# KiCad board MozzaCircuit.kicad_pcb (continued)
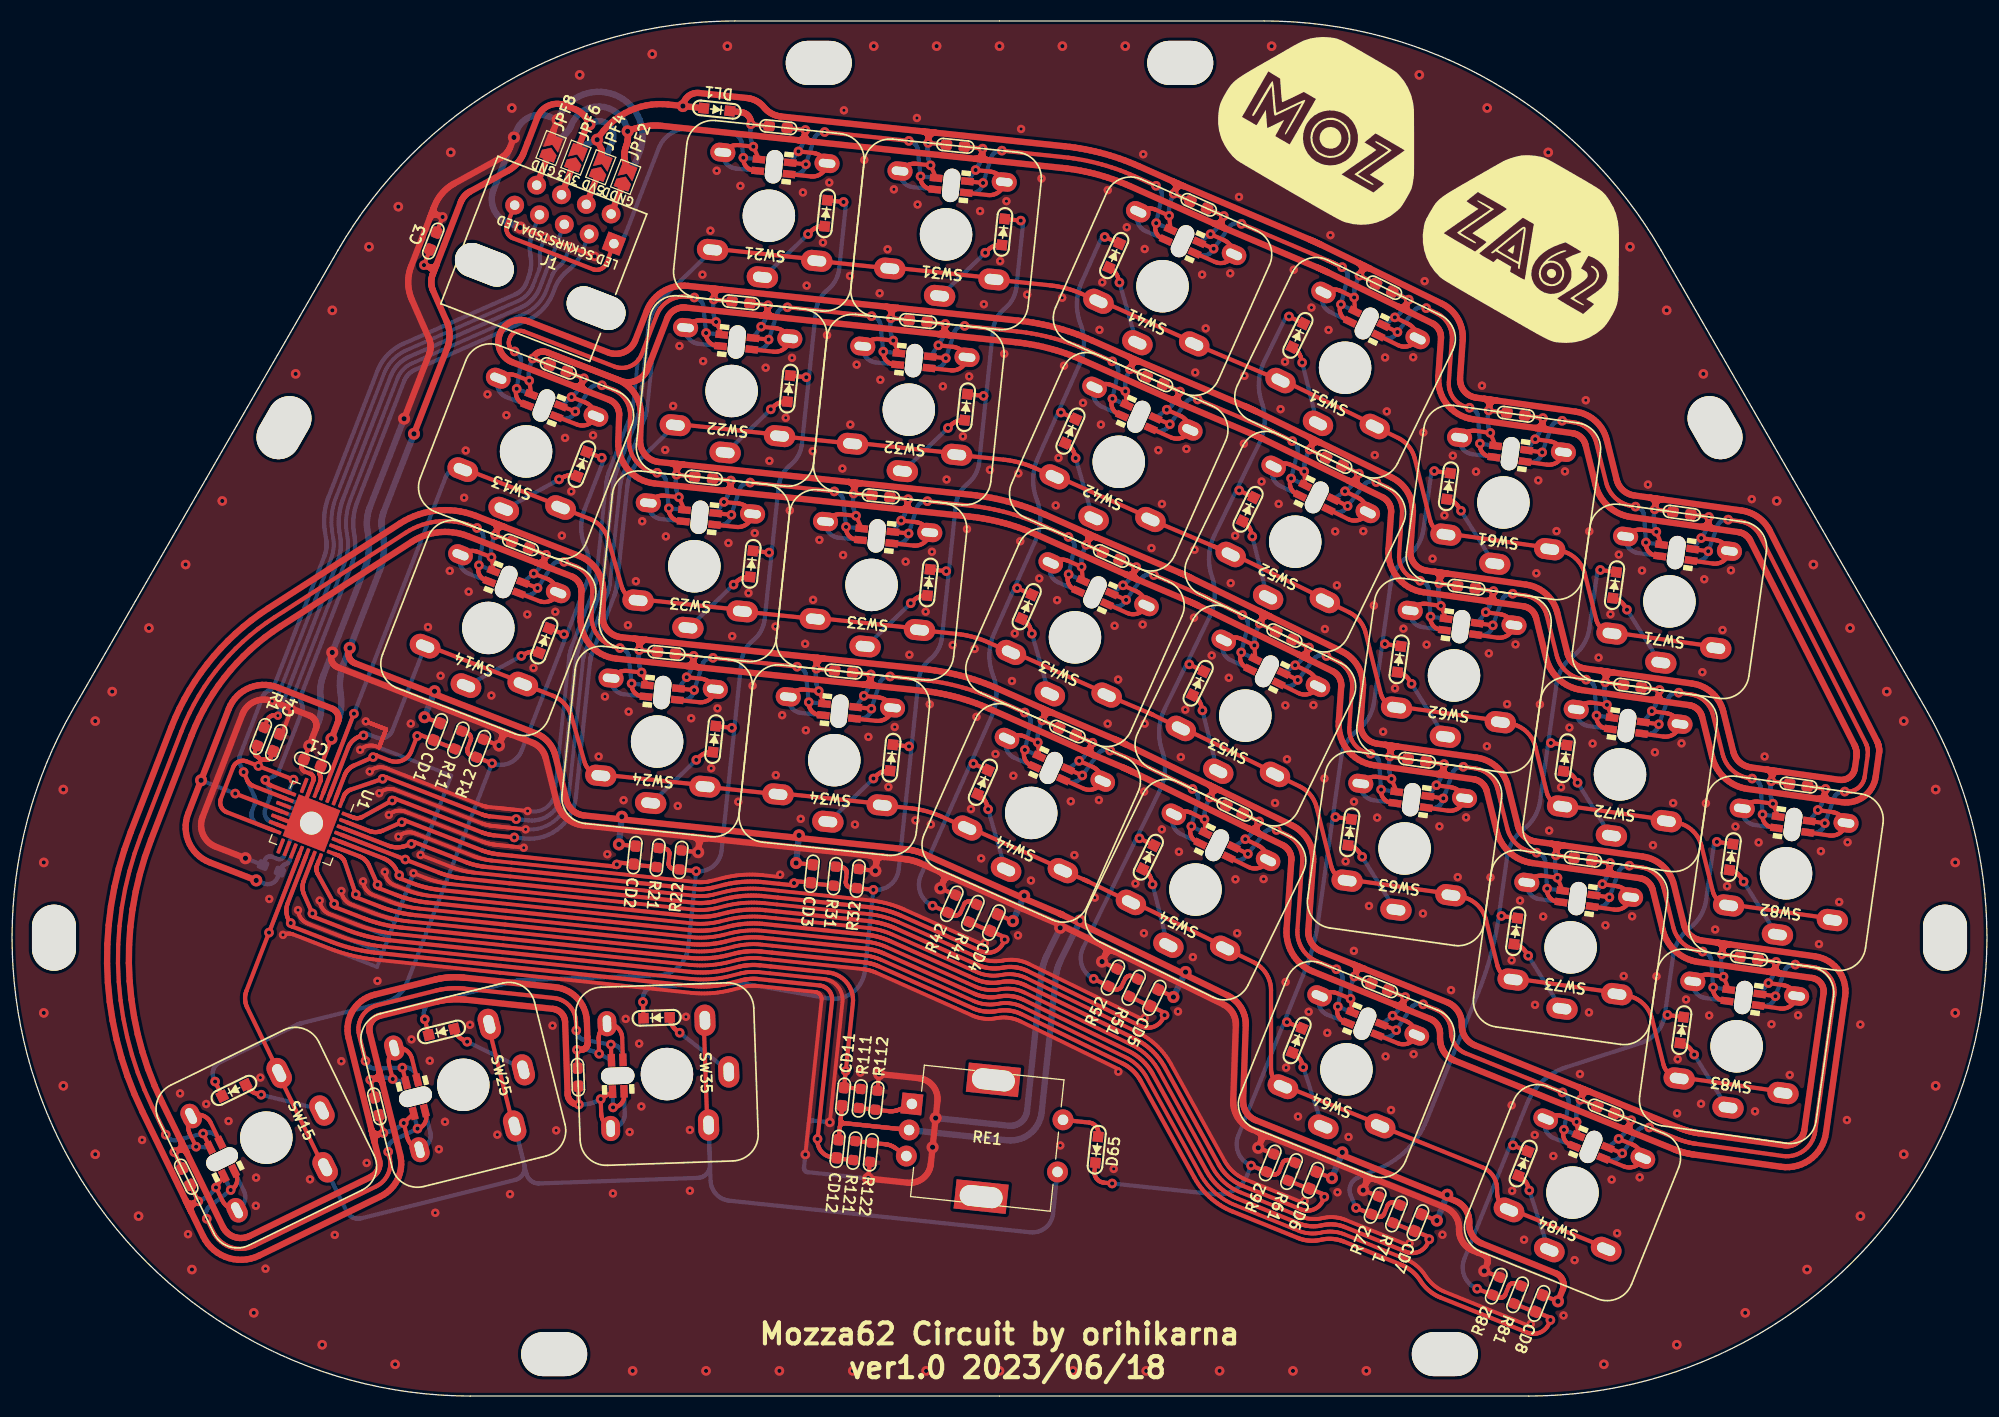
[diagram p0: board, top side]
## Routing (per net, layer and track width the routed paths; a pad name or vN(x,y) marks a point on that pad's centre or on a via; arc(x,y) is an arc through that point) (continued)
  Bottom w0.4: v1(22.27,51.3) 23.95,50.65 24.15,51.17 24.17,51.21 24.19,51.26 24.22,51.3 24.26,51.34 24.3,51.37 24.34,51.41 24.39,51.43 24.43,51.45 24.48,51.47 24.54,51.48 24.59,51.48 24.64,51.48 24.69,51.48 24.74,51.47 24.79,51.45 25.32,51.25 25.37,51.23 25.42,51.22 25.47,51.21 25.52,51.21 25.58,51.22 25.63,51.23 25.68,51.25 25.72,51.27 25.77,51.29 25.81,51.32 25.85,51.36 25.89,51.4 25.92,51.44 25.94,51.49 25.97,51.53 U2.6 27.36,55.12 U1.29 ; R82.2 v1(140.47,11.93) ; 120.39,23.08 v1(118.9,23.68) ; R72.2 v1(128.92,19.63) ; R32.2 v1(82.37,50.1) ; R52.2 v1(104,41.44) ; U2.12 28.8,55.26 U1.29 ; 25.53,63.14 25.72,63.07 v3(26.69,65.57) ; 26.15,56.99 29.04,55.86 U1.29 ; v2(78.03,26.11) 76.44,26.28 76.39,26.28 76.35,26.28 76.31,26.27 76.27,26.26 76.23,26.25 76.19,26.23 76.16,26.21 76.13,26.18 76.1,26.15 76.07,26.12 76.05,26.08 76.03,26.04 76.01,26.01 76,25.97 76,25.92 v2(75.69,23.04) 75.56,21.8 75.56,21.75 75.56,21.71 75.57,21.67 75.58,21.63 75.59,21.59 75.61,21.55 75.64,21.52 75.66,21.49 75.69,21.46 75.72,21.43 75.76,21.41 75.8,21.39 75.84,21.37 75.88,21.36 75.92,21.36 v1(81.69,20.75) R122.2 ; U1.29 25.68,55.77 ; R112.2 v1(82.73,30.72) ; C3.2 v2(41.08,112.48) ; 90.03,47.79 v1(88.57,48.44) ; R12.2 v1(46.46,62.06) ; R22.2 v1(65.47,51.88)
  Bottom w0.6: v1(37.41,93.23) 34.15,84.84 34.1,84.7 34.05,84.55 34.01,84.4 33.97,84.25 33.94,84.1 33.91,83.95 33.89,83.8 33.87,83.65 33.86,83.5 33.86,83.34 33.85,83.19 33.86,83.04 33.87,82.88 33.89,82.73 33.91,82.58 33.98,82.09 34.01,81.87 34.03,81.66 34.05,81.44 34.05,81.22 34.05,81 34.05,80.79 34.03,80.57 34.01,80.35 33.97,80.14 33.94,79.92 33.89,79.71 33.84,79.5 33.78,79.29 33.71,79.08 33.63,78.88 v1(30.55,70.94) 29.7,68.74 29.65,68.6 29.6,68.45 29.56,68.31 29.52,68.16 29.49,68.01 29.46,67.86 29.44,67.71 29.42,67.55 29.41,67.4 29.41,67.25 29.4,67.09 29.41,66.94 29.42,66.79 29.44,66.63 29.46,66.48 29.48,66.33 29.49,66.18 29.5,66.02 29.51,65.87 29.51,65.72 29.5,65.56 29.49,65.41 29.47,65.26 29.45,65.11 29.42,64.96 29.39,64.81 29.35,64.66 29.31,64.51 29.26,64.37 29.21,64.22 v1(28.36,62.03) ; v1(48.49,111.47) 47.3,111.93 47.08,112.03 46.86,112.16 46.66,112.31 46.47,112.48 46.3,112.66 46.16,112.87 46.03,113.09 45.93,113.32 45.85,113.55 45.8,113.8 45.78,114.05 45.78,114.3 45.8,114.55 45.86,114.8 45.93,115.04 v1(47.89,120.07) 48.13,120.69 48.23,120.92 48.36,121.14 48.51,121.34 48.67,121.53 48.86,121.69 49.07,121.84 49.28,121.96 49.51,122.07 49.75,122.14 50,122.19 50.25,122.22 50.5,122.22 50.75,122.19 51,122.14 51.23,122.06 v1(52.05,121.74) 52.23,122.14 52.46,122.52 52.72,122.88 53.01,123.2 53.34,123.5 53.7,123.75 54.08,123.97 54.48,124.15 54.9,124.28 55.33,124.37 55.76,124.42 56.2,124.42 56.64,124.37 57.07,124.28 57.49,124.14 57.89,123.96 58.27,123.74 58.62,123.48 58.95,123.18 59.24,122.85 59.5,122.5 59.72,122.12 59.9,121.71 60.03,121.3 60.12,120.87 60.16,120.43 60.16,119.99 60.12,119.55 60.02,119.12 59.89,118.7 59.5,117.72 59.48,117.65 59.45,117.59 59.41,117.53 59.38,117.47 59.34,117.41 59.29,117.36 59.25,117.3 59.2,117.25 59.15,117.2 59.1,117.16 59.04,117.12 58.98,117.08 58.92,117.04 58.86,117.01 58.8,116.98 ; v1(88.12,26.52) 95.09,25.79 95.25,25.78 95.42,25.79 95.59,25.81 95.75,25.86 95.9,25.92 96.05,25.99 96.19,26.09 96.32,26.19 96.44,26.31 96.55,26.44 96.64,26.58 96.72,26.73 96.78,26.89 96.82,27.05 96.85,27.21 98.21,40.23 98.23,40.35 98.25,40.48 98.27,40.61 98.29,40.73 98.32,40.86 98.35,40.98 98.38,41.1 98.41,41.23 98.45,41.35 98.49,41.47 98.54,41.59 98.58,41.71 98.63,41.83 98.68,41.95 98.74,42.06 v1(100.01,44.67)
  vias: v1(87.83,23.74) v2(3.03,50.9) v2(3.03,36.55) v2(4.89,57.86) v2(4.89,29.59) v2(7.94,64.39) v2(7.94,23.06) v2(9.56,67.2) v2(12.07,17.16) v2(13.06,73.26) v2(16.56,79.32) v2(17.16,12.07) v2(20.06,85.39) v2(23.06,7.94) v2(27.06,97.51) v2(29.59,4.89) v2(30.56,103.57) v2(34.06,109.63) v2(36.55,3.03) v2(36.86,113.46) v2(41.86,118.64) v2(47.69,122.88) v2(54.16,126.03) v2(59.22,2.4) v2(61.09,128.02) v2(66.22,2.4) v2(68.25,128.77) v2(73.22,2.4) v2(80.22,2.4) v2(82.22,128.78) v2(87.22,2.4) v2(88.22,128.78) v2(94.22,128.78) v2(94.22,2.4) v2(100.22,128.78) v2(101.22,2.4) v2(106.22,128.78) v2(108.22,2.4) v2(115.22,2.4) v2(120.18,128.77) v2(122.22,2.4) v2(127.35,128.02) v2(129.22,2.4) v2(134.27,126.03) v2(140.75,122.88) v2(146.57,118.64) v2(151.58,113.46) v2(151.88,3.03) v2(154.37,109.63) v2(157.87,103.57) v2(158.84,4.89) v2(161.37,97.51) v2(165.37,7.94) v2(168.37,85.39) v2(171.27,12.07) v2(171.87,79.32) v2(175.37,73.26) v2(176.36,17.16) v2(178.87,67.2) v2(180.5,64.39) v2(180.5,23.06) v2(183.54,57.86) v2(183.54,29.59) v2(185.4,50.9) v2(185.4,36.55) v3(12.41,24.43) v3(16.03,28.87) v3(16.79,15.44) v3(18.53,27.86) v3(20.66,26.23) v3(23.26,18.15) v3(23.29,20.84) v3(23.69,30.38) v3(24.18,12.15) v3(24.54,47.42) v3(28.43,20.67) v3(30.79,15.37) v3(31.42,31.94) v3(33.84,22.24) v3(34.87,39.6) v3(38.04,64.14) v3(38.11,34.02) v3(39.69,73.36) v3(39.86,31.98) v3(40.38,17.48) v3(40.72,23.54) v3(40.89,68.71) v3(41.31,26.16) v3(41.77,78.72) v3(43.14,85.7) v3(43.29,90.2) v3(43.57,76.73) v3(43.69,35.41) v3(45.37,95.56) v3(45.73,66.83) v3(46.3,24.93) v3(47.17,93.57) v3(47.51,19.26) v3(49.16,74.57) v3(49.76,69.46) v3(51.57,35.34) v3(51.84,74.82) v3(51.92,25.34) v3(52.46,82.08) v3(52.76,91.4) v3(53.36,86.29) v3(55.44,91.65) v3(55.97,61.01) v3(56.57,66.73) v3(56.8,51.69) v3(57.33,19.33) v3(58.35,56.84) v3(58.55,35.98) v3(58.77,73.54) v3(58.83,65.29) v3(58.93,25.19) v3(59.52,77.73) v3(59.83,33.62) v3(60.04,27.63) v3(60.12,83.45) v3(62.32,90.26) v3(62.39,82.01) v3(63.08,94.45) v3(63.52,56.3) v3(63.68,100.17) v3(64.3,36.18) v3(64.67,25.39) v3(64.68,19.58) v3(64.8,64.66) v3(65.87,106.98) v3(65.94,98.73) v3(66.63,111.17) v3(66.71,59.88) v3(67.23,116.89) v3(67.31,65.6) v3(68.35,81.38) v3(68.71,72.49) v3(69.29,56.7) v3(69.49,115.45) v3(70.26,76.6) v3(70.66,67.76) v3(70.86,82.32) v3(71.91,98.1) v3(72.26,89.21) v3(72.84,73.42) v3(72.88,59.23) v3(73.29,49.74) v3(73.48,64.95) v3(73.82,93.32) v3(74.21,84.48) v3(74.42,99.04) v3(75.25,55.06) v3(75.46,114.82) v3(75.67,71.76) v3(75.74,63.51) v3(75.82,105.93) v3(76.4,90.14) v3(76.43,75.95) v3(77.03,81.67) v3(77.37,110.04) v3(77.76,101.2) v3(77.97,115.76) v3(79.23,88.48) v3(79.29,80.23) v3(79.37,122.65) v3(79.95,106.86) v3(79.98,92.67) v3(80.42,54.52) v3(80.59,98.39) v3(80.94,30.86) v3(81.32,117.92) v3(81.71,62.88) v3(82.78,105.2) v3(82.85,96.95) v3(83.54,109.39) v3(83.62,58.11) v3(84.14,115.11) v3(84.22,63.82) v3(85.26,79.6) v3(85.62,70.72) v3(86.2,54.92) v3(86.33,121.92) v3(86.4,113.67) v3(87.17,74.83) v3(87.56,65.99) v3(87.67,54.53) v3(87.77,80.54) v3(88.81,96.32) v3(89.17,87.44) v3(89.75,71.64) v3(90.72,91.55) v3(91.12,82.71) v3(91.32,97.26) v3(91.5,55.99) v3(91.84,71.27) v3(92.02,64.79) v3(92.37,113.04) v3(92.47,51.29) v3(92.73,104.16) v3(92.82,43.23) v3(93.31,88.36) v3(93.83,61.25) v3(94.28,108.27) v3(94.67,99.43) v3(94.88,113.98) v3(95.4,68.21) v3(95.54,59.18) v3(95.67,72.74) v3(96.02,88.02) v3(95.98,43.94) v3(96.2,81.54) v3(96.28,120.88) v3(96.86,105.08) v3(97.22,49.18) v3(98.01,78) v3(98.22,116.15) v3(99.58,84.96) v3(99.72,75.92) v3(99.85,89.49) v3(100.02,23.9) v3(100.2,104.77) v3(100.37,98.29) v3(101.02,56.73) v3(101.36,51.6) v3(102.19,94.75) v3(103.31,47.55) v3(103.76,101.71) v3(103.7,56.85) v3(103.89,92.67) v3(104.02,106.24) v3(104.55,115.04) v3(104.54,64.14) v3(105.11,21.67) v3(105.2,73.48) v3(105.54,68.35) v3(105.56,30.94) v3(106.36,111.5) v3(107.19,48.89) v3(107.93,118.46) v3(107.88,73.6) v3(108.02,57.66) v3(107.99,44.15) v3(108.06,36.08) v3(108.07,109.42) v3(108.07,64.14) v3(108.72,80.89) v3(109.37,90.23) v3(109.71,85.1) v3(109.71,54.05) v3(111.25,36.68) v3(111.34,51.92) v3(111.52,60.96) v3(111.94,65.48) v3(112.05,90.35) v3(112.67,41.87) v3(112.82,80.74) v3(112.77,74.25) v3(112.89,97.64) v3(113.55,106.98) v3(113.89,101.85) v3(114.46,70.65) v3(116.1,68.52) v3(116.23,107.1) v3(116.28,77.55) v3(116.7,82.07) v3(116.73,49.29) v3(116.89,44.15) v3(117.07,114.39) v3(117.53,90.85) v3(117.58,97.33) v3(119.22,87.24) v3(119.41,49.32) v3(120.51,56.58) v3(120.85,85.11) v3(121.03,94.15) v3(121.46,98.67) v3(121.49,65.89) v3(121.52,39.49) v3(121.56,31.33) v3(121.65,60.75) v3(122.29,107.44) v3(122.7,26.66) v3(123.33,18.62) v3(123.72,36.66) v3(123.98,103.84) v3(124.17,65.91) v3(125.26,73.17) v3(125.22,58.91) v3(125.49,34.65) v3(125.61,101.7) v3(125.79,110.74) v3(126.25,82.48) v3(126.41,77.34) v3(126.47,19.44) v3(127.24,51.01) v3(127.52,24.72) v3(128.04,56.7) v3(128.03,42.47) v3(128.93,82.51) v3(129.47,46.75) v3(129.94,75.42) v3(130.02,89.76) v3(130.25,55.18) v3(130.82,63.38) v3(131,99.07) v3(131.06,32.4) v3(131.17,93.93) v3(131.58,27.28) v3(131.96,67.51) v3(132.76,73.21) v3(133.34,14.57) v3(133.69,99.1) v3(133.73,32.61) v3(134.65,91.92) v3(134.62,46.03) v3(134.78,106.36) v3(134.97,71.68) v3(135.54,79.88) v3(136.19,54.34) v3(136.48,15.39) v3(136.67,84.02) v3(137.3,38.72) v3(137.47,89.71) v3(137.94,49.5) v3(138.74,55.2) v3(139.68,88.19) v3(140.25,96.39) v3(140.72,61.99) v3(140.91,70.85) v3(141.06,49.48) v3(142.65,66.01) v3(143.08,41.57) v3(143.09,27.74) v3(143.13,19.58) v3(143.45,71.7) v3(143.88,47.26) v3(144.27,14.91) v3(144.9,6.87) v3(145.31,37.32) v3(145.29,24.91) v3(145.44,78.49) v3(145.62,87.35) v3(145.78,65.98) v3(146.09,45.74) v3(146.66,53.94) v3(147.06,22.9) v3(147.37,82.51) v3(147.8,58.07) v3(148.03,7.69) v3(148.17,88.21) v3(148.6,63.77) v3(149.09,12.97) v3(149.6,30.72) v3(150.15,95) v3(150.46,36.6) v3(150.49,82.49) v3(150.81,62.25) v3(151.38,70.45) v3(152.03,44.91) v3(152.51,74.58) v3(152.62,20.65) v3(153.15,15.53) v3(153.31,80.27) v3(153.78,40.07) v3(154.58,45.76) v3(155.3,20.86) v3(155.52,78.75) v3(156.09,86.95) v3(156.56,52.55) v3(156.75,61.41) v3(156.9,40.04) v3(158.49,56.57) v3(158.92,32.13) v3(158.87,26.97) v3(159.29,62.27) v3(159.72,37.83) v3(161.15,27.88) v3(161.28,69.05) v3(161.46,77.92) v3(161.62,56.55) v3(161.93,36.31) v3(162.5,44.51) v3(163.21,73.08) v3(163.64,48.64) v3(164.01,78.77) v3(164.44,54.33) v3(165.99,85.56) v3(166.3,27.16) v3(166.65,52.81) v3(167.22,61.01) v3(167.87,35.47) v3(169.62,30.63) v3(170.42,36.32) v3(172.41,43.11) v3(172.59,51.98) v3(174.33,47.14) v3(175.13,52.83) v3(175.07,26.33) v3(176.35,35.44)
GNDD: length 1359.3
  Top w0.4: 144.33,93.54 v2(146.07,93.3) ; 83.76,85.74 v2(85.5,85.56) ; L35.2 v2(56.17,28.33) 56.21,26.97 56.22,26.85 56.24,26.73 56.26,26.61 56.3,26.5 56.34,26.39 56.39,26.28 56.44,26.18 56.5,26.07 56.57,25.98 56.65,25.89 56.73,25.8 56.82,25.72 56.91,25.65 57.01,25.58 57.12,25.52 ; SW44.5 95.03,62.8 95.13,62.85 95.24,62.91 95.35,62.95 95.46,62.99 95.58,63.02 95.69,63.04 95.81,63.05 95.93,63.05 96.05,63.05 96.17,63.04 96.28,63.02 96.4,62.99 96.51,62.95 96.62,62.91 v2(97.87,62.35) L44.2 ; C41.2 v2(115.62,112.58) ; 78.49,69.2 v2(76.75,69.39) ; 160.17,84.11 v2(161.91,83.86) ; v2(53.38,95.3) 54.65,94.8 54.76,94.76 54.86,94.7 54.96,94.64 55.06,94.57 55.15,94.5 55.24,94.42 55.32,94.33 55.4,94.24 55.46,94.14 55.52,94.04 55.58,93.93 55.62,93.82 55.66,93.71 55.69,93.59 55.71,93.48 55.65,93.34 55.58,93.22 55.49,93.1 55.4,92.99 55.29,92.89 55.17,92.81 55.04,92.73 54.91,92.68 54.77,92.63 54.62,92.6 54.48,92.59 54.33,92.59 54.19,92.6 54.04,92.63 53.9,92.68 L13.2 ; C82.2 v2(167.86,58.65) ; 81.17,100.14 81.24,100.24 81.32,100.32 81.41,100.41 81.5,100.48 81.6,100.55 81.7,100.61 81.8,100.67 81.91,100.72 82.02,100.76 82.14,100.79 82.25,100.82 82.37,100.83 82.49,100.84 82.61,100.84 82.72,100.83 v2(84.08,100.69) L32.2 ; SW42.5 103.38,96.29 103.49,96.35 103.59,96.41 103.7,96.45 103.81,96.49 103.93,96.52 104.05,96.54 104.16,96.55 104.28,96.55 104.4,96.55 104.52,96.54 104.64,96.52 104.75,96.49 104.86,96.45 104.97,96.41 v2(106.22,95.85) 106.36,94.53 ; 165.08,56.06 165.16,56.15 165.24,56.24 165.33,56.31 165.42,56.39 165.52,56.45 165.63,56.51 165.73,56.57 165.84,56.61 165.95,56.65 166.07,56.68 166.19,56.7 166.3,56.71 166.42,56.71 166.54,56.71 166.66,56.7 v2(168.01,56.51) L82.2 ; 123.39,86.88 v2(123.29,88.2) 122.07,88.8 121.96,88.85 121.85,88.89 121.73,88.92 121.62,88.95 121.5,88.97 121.38,88.97 121.26,88.97 121.15,88.97 121.03,88.95 120.91,88.92 120.8,88.89 120.69,88.85 120.58,88.8 120.47,88.75 120.37,88.68 ; 149.46,24.84 v2(149.28,26.15) 148.01,26.66 147.9,26.71 147.79,26.74 147.67,26.76 147.55,26.78 147.44,26.79 147.32,26.79 147.2,26.78 147.08,26.76 146.97,26.74 146.85,26.71 146.74,26.66 146.63,26.62 146.53,26.56 146.43,26.5 SW84.5 ; 73.96,120.96 v2(75.7,120.78) ; 45.94,78.71 v2(45.74,80.02) 44.47,80.52 44.36,80.55 44.24,80.59 44.13,80.61 44.01,80.62 43.89,80.63 43.77,80.63 43.65,80.62 43.54,80.6 43.42,80.57 43.31,80.54 43.2,80.5 43.09,80.45 42.98,80.39 42.88,80.33 42.79,80.26 ; 74.06,66.7 74.14,66.8 74.22,66.88 74.3,66.97 74.39,67.04 74.49,67.11 74.59,67.17 74.69,67.23 74.8,67.28 74.91,67.32 75.03,67.35 75.14,67.38 75.26,67.39 75.38,67.4 75.5,67.4 75.62,67.39 v2(76.97,67.25) L34.2 ; L43.2 106.4,74.7 106.53,74.65 106.67,74.61 106.82,74.59 106.97,74.58 107.11,74.59 107.26,74.61 107.4,74.65 107.53,74.7 107.66,74.77 107.79,74.85 107.9,74.94 108.01,75.04 108.1,75.16 108.18,75.28 SW43.4 108.23,75.53 108.2,75.64 108.17,75.76 108.13,75.87 108.08,75.98 108.03,76.08 107.96,76.18 107.89,76.28 107.82,76.37 107.73,76.46 107.65,76.54 107.55,76.61 107.45,76.67 107.35,76.73 107.24,76.79 v2(106,77.34) ; C44.2 v2(98.31,64.45) ; L24.2 v2(60.07,69.03) 58.71,69.17 58.59,69.18 58.47,69.18 58.35,69.17 58.24,69.15 58.12,69.13 58.01,69.1 57.89,69.06 57.79,69.01 57.68,68.95 57.58,68.89 57.48,68.82 57.39,68.74 57.31,68.66 57.23,68.57 SW24.5 ; L64.2 v2(127.71,37.9) 126.44,38.42 126.33,38.46 126.22,38.49 126.1,38.51 125.99,38.53 125.87,38.54 125.75,38.54 125.63,38.53 125.51,38.51 125.4,38.49 125.28,38.46 125.17,38.42 125.06,38.37 124.96,38.31 124.86,38.25 124.76,38.18 ; C24.2 v2(59.84,71.16) ; L41.2 114.75,108.2 114.89,108.15 115.03,108.11 115.17,108.09 115.32,108.08 115.46,108.09 115.61,108.11 115.75,108.15 115.89,108.2 116.02,108.27 116.14,108.35 116.25,108.44 116.36,108.54 116.45,108.66 116.53,108.78 116.6,108.91 116.58,109.03 116.56,109.14 116.52,109.26 116.48,109.37 116.43,109.48 116.38,109.58 116.32,109.68 116.25,109.78 116.17,109.87 116.09,109.95 116,110.03 115.91,110.11 115.81,110.17 115.7,110.23 115.6,110.28 v2(114.35,110.84) ; L54.2 v2(113.78,55.02) 112.55,55.62 112.44,55.66 112.33,55.7 112.22,55.74 112.1,55.76 111.98,55.78 111.87,55.79 111.75,55.79 111.63,55.78 111.51,55.76 111.4,55.74 111.28,55.7 111.17,55.66 111.06,55.62 110.96,55.56 110.86,55.5 ; 21.47,17.72 21.35,17.73 21.23,17.76 21.12,17.78 21,17.82 20.89,17.87 20.79,17.92 20.68,17.98 20.59,18.04 20.49,18.12 20.4,18.2 20.32,18.28 20.25,18.37 20.18,18.47 20.11,18.57 20.06,18.67 v2(19.46,19.9) L15.2 ; 166.59,41.66 v2(168.32,41.42) ; L23.2 69.12,82.91 69.26,82.9 69.41,82.91 69.55,82.93 69.7,82.97 69.83,83.02 69.96,83.09 70.09,83.17 70.2,83.26 70.3,83.36 70.4,83.48 70.48,83.6 70.54,83.73 70.59,83.87 70.63,84.01 70.66,84.15 70.6,84.26 70.54,84.36 70.48,84.46 70.4,84.55 70.33,84.64 70.24,84.72 70.15,84.8 70.05,84.87 69.95,84.93 69.85,84.99 69.74,85.04 69.63,85.08 69.51,85.11 69.4,85.14 69.28,85.15 v2(67.92,85.29) ; 115.87,56.33 v2(114.29,57.1) ; C63.2 v2(136.64,60.29) ; 83.93,81.35 86.02,81.13 86.17,81.12 86.32,81.13 86.46,81.15 86.6,81.19 86.74,81.24 86.87,81.31 86.99,81.39 87.11,81.48 87.21,81.59 87.3,81.7 87.38,81.82 87.45,81.95 87.5,82.09 87.54,82.23 SW33.4 87.51,82.48 87.45,82.59 87.38,82.68 87.31,82.78 87.23,82.87 87.15,82.95 87.06,83.02 86.96,83.09 86.86,83.16 86.76,83.21 86.65,83.26 86.54,83.3 86.42,83.33 86.31,83.36 86.19,83.37 v2(84.83,83.52) ; 131.69,105.36 v2(133.26,104.59) ; C64.2 v2(128.08,40.02) ; v2(145.33,91.28) 146.68,91.09 146.8,91.07 146.91,91.04 147.03,91 147.14,90.96 147.24,90.91 147.35,90.85 147.44,90.78 147.54,90.71 147.63,90.63 147.71,90.54 147.78,90.45 147.85,90.36 147.92,90.26 147.97,90.15 SW61.4 147.99,89.9 147.95,89.76 147.89,89.63 147.82,89.5 147.74,89.38 147.64,89.27 147.53,89.17 147.42,89.08 147.29,89 147.16,88.94 147.02,88.89 146.88,88.86 146.73,88.84 146.58,88.84 146.44,88.85 144.36,89.15 ; v2(135.9,58.27) 137.25,58.08 137.37,58.06 137.48,58.03 137.6,58 137.71,57.95 137.81,57.9 137.92,57.84 138.01,57.77 138.11,57.7 138.2,57.62 138.28,57.54 138.35,57.45 138.42,57.35 138.49,57.25 138.54,57.14 SW63.4 138.56,56.89 138.52,56.75 138.46,56.62 138.39,56.49 138.31,56.37 138.21,56.26 138.1,56.16 137.99,56.07 137.86,55.99 137.73,55.93 137.59,55.88 137.45,55.85 137.3,55.83 137.15,55.83 137.01,55.84 L63.2 ; SW62.5 133.48,75.02 133.56,75.11 133.65,75.19 133.74,75.26 133.84,75.33 133.94,75.39 134.05,75.44 134.16,75.48 134.27,75.52 134.39,75.55 134.5,75.57 134.62,75.58 134.74,75.59 134.86,75.58 134.98,75.57 v2(136.33,75.38) L62.2 ; L21.2 76.22,116.35 76.37,116.34 76.52,116.35 76.66,116.37 76.8,116.41 76.94,116.46 77.07,116.53 77.19,116.61 77.31,116.7 77.41,116.8 77.5,116.92 77.58,117.04 77.65,117.17 77.7,117.31 77.74,117.45 77.76,117.59 77.71,117.7 77.65,117.8 77.59,117.9 77.51,117.99 77.43,118.08 77.35,118.16 77.26,118.24 77.16,118.31 77.06,118.37 76.96,118.43 76.85,118.48 76.74,118.52 76.62,118.55 76.51,118.58 76.39,118.59 v2(75.03,118.73) ; v2(131.94,102.9) 133.17,102.3 133.27,102.25 133.37,102.19 133.47,102.12 133.56,102.04 133.64,101.96 133.72,101.87 133.8,101.78 133.86,101.68 133.92,101.57 133.97,101.47 134.02,101.36 134.06,101.24 134.08,101.13 134.11,101.01 134.12,100.89 134.05,100.77 133.96,100.65 133.87,100.54 133.76,100.44 133.64,100.35 133.52,100.27 133.38,100.21 133.24,100.16 133.1,100.13 132.96,100.11 132.81,100.11 132.66,100.12 132.52,100.15 132.38,100.19 132.24,100.25 130.36,101.17 ; v2(91.94,116.96) 93.3,116.81 93.41,116.8 93.53,116.77 93.64,116.74 93.76,116.7 93.86,116.65 93.97,116.6 94.07,116.53 94.16,116.46 94.26,116.39 94.34,116.31 94.42,116.22 94.49,116.12 94.56,116.03 94.62,115.92 SW31.4 94.65,115.67 94.61,115.53 94.56,115.39 94.49,115.26 94.41,115.14 94.32,115.03 94.21,114.92 94.1,114.83 93.98,114.75 93.85,114.68 93.71,114.63 93.57,114.59 93.42,114.57 93.28,114.56 93.13,114.57 91.04,114.79 ; SW22.5 64.34,102.01 64.42,102.1 64.5,102.18 64.59,102.26 64.69,102.33 64.79,102.39 64.89,102.45 65,102.5 65.11,102.54 65.23,102.57 65.34,102.59 65.46,102.61 65.58,102.62 65.7,102.62 65.82,102.61 v2(67.17,102.47) L22.2 ; v2(167.58,39.4) 168.93,39.21 169.05,39.19 169.17,39.16 169.28,39.12 169.39,39.08 169.49,39.03 169.6,38.97 169.7,38.9 169.79,38.83 169.88,38.75 169.96,38.66 170.04,38.57 170.11,38.48 170.17,38.38 170.22,38.27 SW83.4 170.24,38.02 170.2,37.88 170.14,37.74 170.07,37.62 169.99,37.5 169.89,37.38 169.79,37.28 169.67,37.2 169.54,37.12 169.41,37.06 169.27,37.01 169.13,36.98 168.98,36.96 168.84,36.96 168.69,36.97 166.61,37.26 ; 153.75,67.84 v2(152.02,68.08) ; C22.2 v2(66.95,104.6) ; 137.91,77.28 v2(136.18,77.52) ; 38.67,30.14 38.16,32.18 38.12,32.32 38.06,32.45 37.99,32.58 37.9,32.7 37.81,32.81 37.7,32.91 37.58,33 37.46,33.08 37.33,33.14 37.19,33.19 37.04,33.22 36.9,33.24 36.75,33.24 36.61,33.23 36.46,33.2 36.38,33.11 36.3,33.02 36.23,32.93 36.17,32.83 36.11,32.72 36.07,32.61 36.03,32.5 35.99,32.39 35.97,32.27 35.95,32.15 35.94,32.03 35.94,31.92 35.95,31.8 35.97,31.68 35.99,31.56 v2(36.32,30.24) ; 105.66,79.79 v2(107.26,79.08) ; 125.38,89.52 v2(123.81,90.29) ; 160.2,79.71 162.28,79.42 162.42,79.4 162.57,79.41 162.72,79.42 162.86,79.46 163,79.51 163.13,79.57 163.26,79.64 163.37,79.73 163.48,79.83 163.58,79.94 163.66,80.06 163.73,80.19 163.79,80.32 163.83,80.46 SW71.4 163.81,80.72 163.76,80.82 163.69,80.92 163.62,81.02 163.55,81.11 163.47,81.19 163.38,81.27 163.28,81.35 163.19,81.41 163.08,81.47 162.98,81.52 162.87,81.57 162.75,81.61 162.64,81.63 162.52,81.65 v2(161.17,81.84) ; C53.2 v2(123.75,71.41) ; 66.85,87.52 v2(68.59,87.34) ; 34.6,28.47 v2(34.18,30.17) ; C42.2 v2(106.66,97.95) ; C14.2 v2(46.08,82.14) ; C35.2 v2(54.08,27.81) ; v2(122.42,69.72) 123.65,69.12 123.76,69.06 123.86,69 123.95,68.93 124.04,68.85 124.13,68.77 124.21,68.68 124.28,68.59 124.35,68.49 124.41,68.39 124.46,68.28 124.5,68.17 124.54,68.06 124.57,67.94 124.59,67.83 SW53.4 124.53,67.58 124.45,67.46 124.35,67.35 124.24,67.25 124.13,67.16 124,67.08 123.87,67.02 123.73,66.97 123.59,66.94 123.44,66.92 123.29,66.92 123.15,66.93 123,66.96 122.86,67 122.73,67.06 120.84,67.98 ; 149.24,65.5 149.32,65.59 149.4,65.67 149.49,65.75 149.58,65.82 149.68,65.89 149.78,65.95 149.89,66 150,66.05 150.11,66.08 150.23,66.11 150.35,66.13 150.46,66.14 150.58,66.15 150.7,66.14 150.82,66.13 v2(152.17,65.94) L72.2 ; v2(151.74,48.84) 153.09,48.65 153.21,48.62 153.32,48.6 153.44,48.56 153.55,48.51 153.65,48.46 153.76,48.4 153.85,48.34 153.95,48.26 154.04,48.19 154.12,48.1 154.19,48.01 154.26,47.91 154.33,47.81 154.38,47.71 154.43,47.6 154.4,47.46 154.36,47.32 154.3,47.18 154.23,47.05 154.15,46.93 154.05,46.82 153.94,46.72 153.83,46.63 153.7,46.56 153.57,46.5 153.43,46.45 153.29,46.42 153.14,46.4 153,46.4 152.85,46.41 L73.2 ; C73.2 v2(152.48,50.85) ; 85.59,102.64 v2(83.85,102.83) ; 17,20.15 v2(17.77,18.58) ; 90.86,119.18 v2(92.6,119) ; 151.27,27.61 v2(149.65,28.27) ; C13.2 v2(54.56,97.09)